# KiCad board shek-rounded.kicad_pcb (continued)
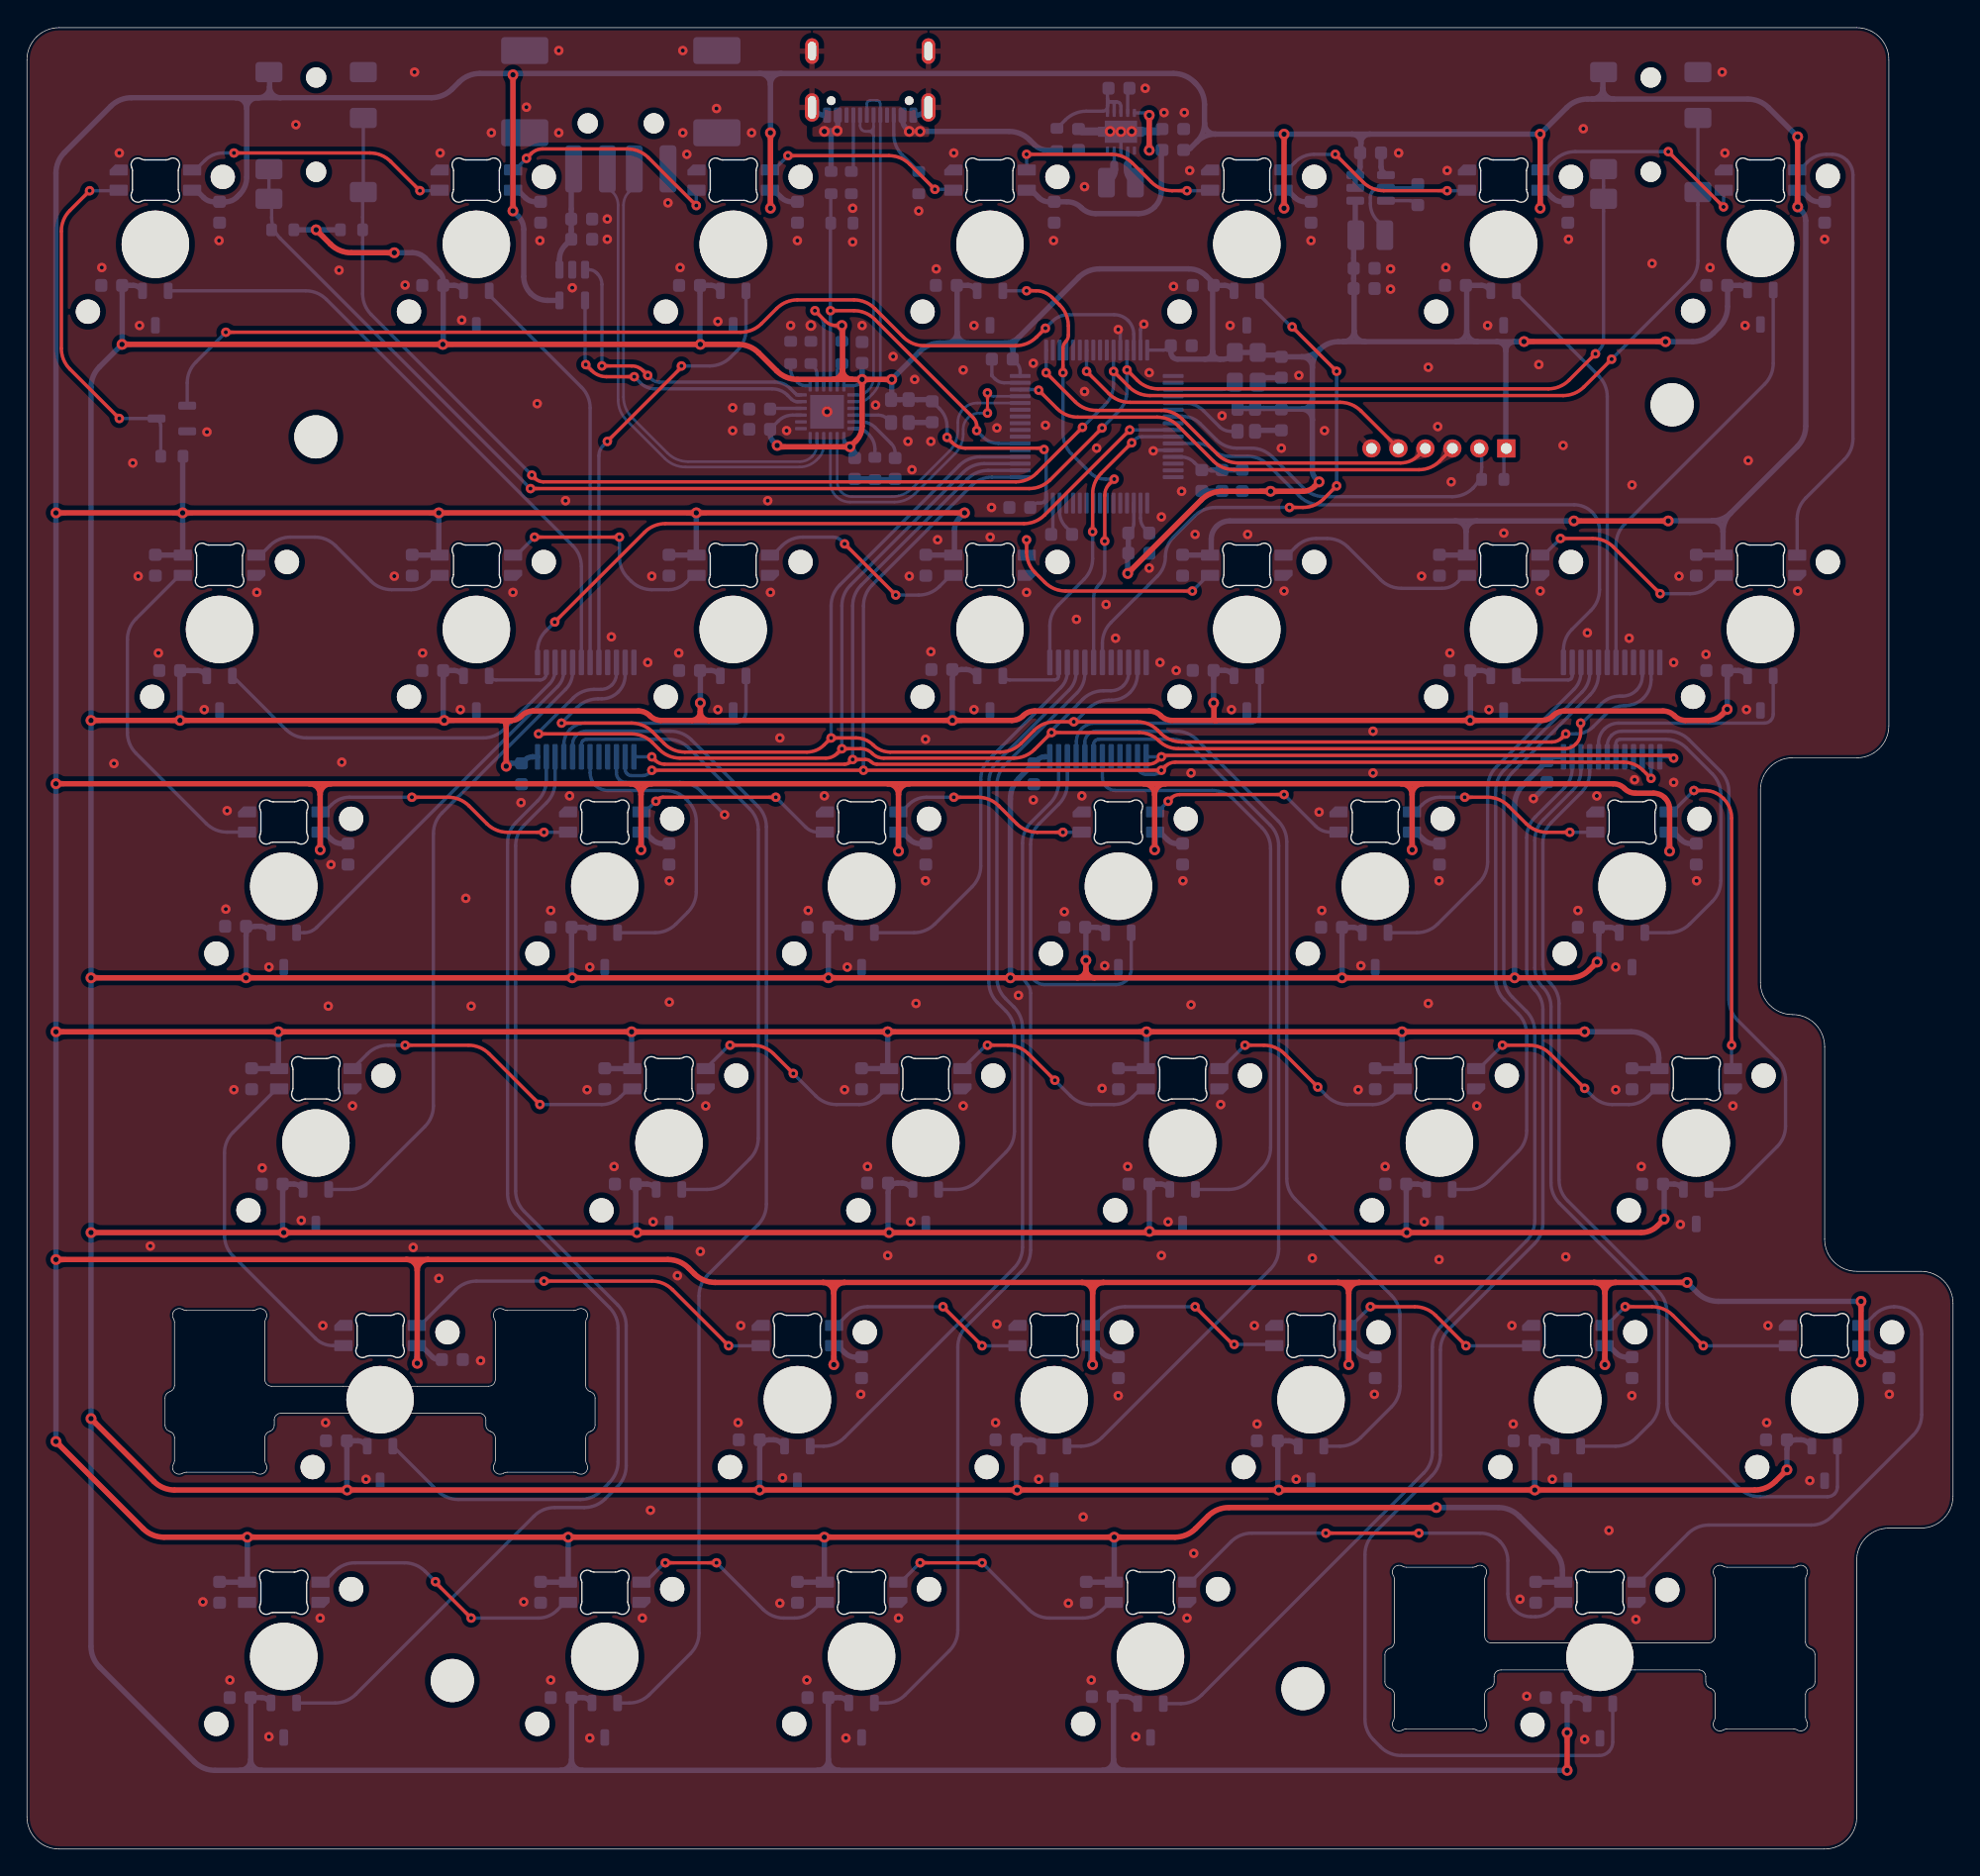
[diagram p0: board, top side]
## Copper pours and planes (outline as drawn; the poured copper is in the pictures) (continued)
/VBUS2 on Bottom: 40.57,123.42 40.58,123.55 40.6,123.66 40.62,123.75 40.65,123.83 40.7,123.9 40.75,123.96 40.8,124.02 40.94,124.16 41.02,124.24 40.64,124.96 39.93,124.55 39.96,124.42 39.99,124.3 40.02,124.2 40.09,124.02 40.11,123.93 40.14,123.83 40.16,123.72 40.17,123.58 40.18,123.42
/VDDA on Bottom: 87.34,102.18 87.5,102.14 87.63,102.11 87.75,102.09 87.95,102.06 88.04,102.05 88.13,102.03 88.23,102 88.33,101.96 88.45,101.91 88.87,102.31 88.45,102.72 88.25,102.62 88.16,102.58 88.08,102.55 87.99,102.52 87.91,102.51 87.81,102.5 87.71,102.51 87.59,102.53 87.45,102.57
GND on Top, Bottom: -18.65,149.79 221.85,149.94 215.35,-19.86 -24.8,-8.96
VBUS on Top: 58.24,129.31 66.92,129.29 66.93,127.03 58.26,127.04
VBUS on Bottom: 75.86,125.5 80.26,125.5 80.26,126.45 75.86,126.5
DN2_D+ on Bottom: 45,123.26 45.08,123.41 45.15,123.54 45.21,123.66 45.26,123.75 45.42,124.02 45.48,124.13 45.54,124.24 45.61,124.38 45.05,124.97 44.49,124.39 44.55,124.26 44.63,124.16 44.76,123.97 44.82,123.89 44.87,123.8 44.89,123.7 44.9,123.6 44.87,123.48 44.82,123.34
DN2_D- on Bottom: 43.28,123.34 43.23,123.48 43.2,123.6 43.21,123.7 43.23,123.8 43.28,123.89 43.34,123.97 43.47,124.16 43.55,124.26 43.61,124.39 43.05,124.97 42.49,124.38 42.56,124.24 42.62,124.13 42.68,124.02 42.84,123.75 42.89,123.66 42.95,123.54 43.02,123.41 43.1,123.26
NRST on Bottom: 108.04,102.58 108.04,102.76 108.06,102.9 108.09,103.02 108.13,103.12 108.18,103.22 108.22,103.31 108.27,103.41 108.32,103.52 108.36,103.64 108.4,103.79 107.65,104.24 107.22,103.48 107.31,103.38 107.4,103.3 107.55,103.16 107.62,103.1 107.67,103.03 107.72,102.94 107.76,102.85 107.78,102.73 107.79,102.58
OSC32 on Bottom: 88.58,108.16 88.72,108.16 88.84,108.17 88.94,108.18 89.03,108.19 89.19,108.21 89.28,108.22 89.37,108.23 89.48,108.24 89.6,108.24 89.84,109.02 89.06,109.1 89.02,109 88.99,108.9 88.94,108.71 88.92,108.63 88.88,108.56 88.84,108.5 88.77,108.45 88.69,108.42 88.58,108.41
SCL on Bottom: 17.82,123.94 17.82,123.76 17.79,123.62 17.75,123.5 17.7,123.39 17.64,123.3 17.58,123.21 17.5,123.12 17.43,123.02 17.35,122.9 17.27,122.76 17.95,122.06 18.62,122.76 18.55,122.9 18.47,123.02 18.4,123.12 18.32,123.21 18.26,123.3 18.2,123.39 18.15,123.5 18.11,123.62 18.08,123.76 18.07,123.94
SCL on Bottom: 18.07,123.15 18.08,123.32 18.11,123.47 18.15,123.59 18.2,123.69 18.26,123.78 18.32,123.87 18.4,123.96 18.47,124.06 18.55,124.17 18.62,124.31 17.95,125.01 17.27,124.31 17.35,124.17 17.43,124.06 17.5,123.96 17.58,123.87 17.64,123.78 17.7,123.69 17.75,123.59 17.79,123.47 17.82,123.32 17.82,123.15
SCL on Bottom: 117.07,123.14 117.08,123.31 117.11,123.46 117.15,123.58 117.2,123.68 117.26,123.77 117.32,123.86 117.4,123.95 117.47,124.05 117.55,124.17 117.62,124.31 116.95,125.01 116.27,124.31 116.35,124.17 116.43,124.05 116.5,123.95 116.58,123.86 116.64,123.77 116.7,123.68 116.75,123.58 116.79,123.46 116.82,123.31 116.82,123.14
SCL on Bottom: 18.4,120.35 18.32,120.6 18.28,120.82 18.28,121.02 18.31,121.19 18.36,121.35 18.42,121.51 18.49,121.68 18.56,121.86 18.63,122.06 18.69,122.3 17.85,122.8 17.39,121.94 17.53,121.77 17.64,121.62 17.73,121.47 17.8,121.34 17.86,121.2 17.91,121.05 17.96,120.89 18.01,120.71 18.08,120.5 18.16,120.26
SDA on Bottom: 124.07,126.95 124.08,127.12 124.11,127.27 124.15,127.39 124.2,127.49 124.26,127.58 124.32,127.67 124.4,127.76 124.47,127.86 124.55,127.97 124.62,128.11 123.95,128.81 123.27,128.11 123.35,127.97 123.43,127.86 123.5,127.76 123.58,127.67 123.64,127.58 123.7,127.49 123.75,127.39 123.79,127.27 123.82,127.12 123.82,126.95
SDA on Bottom: 25.07,126.95 25.08,127.12 25.11,127.27 25.15,127.39 25.2,127.49 25.26,127.58 25.32,127.67 25.4,127.76 25.47,127.86 25.55,127.97 25.62,128.11 24.95,128.81 24.27,128.11 24.35,127.97 24.43,127.86 24.5,127.76 24.58,127.67 24.64,127.58 24.7,127.49 24.75,127.39 24.79,127.27 24.82,127.12 24.82,126.95
SDA on Bottom: 25.02,121.43 25.03,121.61 25.06,121.75 25.1,121.87 25.15,121.97 25.21,122.06 25.28,122.14 25.36,122.23 25.44,122.32 25.52,122.43 25.6,122.57 24.97,123.31 24.25,122.66 24.32,122.51 24.39,122.38 24.46,122.28 24.53,122.18 24.6,122.09 24.66,121.99 24.7,121.89 24.74,121.76 24.77,121.61 24.77,121.43
SDA on Bottom: 24.82,124.44 24.82,124.27 24.79,124.12 24.75,124 24.7,123.9 24.64,123.8 24.58,123.71 24.5,123.62 24.43,123.52 24.35,123.4 24.27,123.26 24.95,122.56 25.62,123.26 25.55,123.4 25.47,123.52 25.4,123.62 25.32,123.71 25.26,123.8 25.2,123.9 25.15,124 25.11,124.12 25.08,124.27 25.07,124.44
SWCLK on Top: 102.69,102.88 102.86,102.95 103,103.01 103.13,103.05 103.24,103.08 103.35,103.11 103.56,103.16 103.67,103.19 103.8,103.23 103.96,103.28 103.97,104.16 103.1,104.14 103.06,104 103.03,103.87 103,103.64 102.98,103.53 102.95,103.44 102.9,103.35 102.83,103.26 102.73,103.18 102.59,103.11
SWDIO on Top: 104.31,102.47 104.53,102.59 104.72,102.69 104.88,102.78 105.02,102.86 105.15,102.93 105.28,103 105.42,103.07 105.57,103.13 105.75,103.2 105.96,103.28 105.97,104.16 105.1,104.14 105.03,103.94 104.98,103.75 104.94,103.59 104.89,103.44 104.84,103.3 104.77,103.16 104.68,103.04 104.55,102.92 104.4,102.81 104.19,102.69
SWO on Top: 100.7,104.78 100.8,104.66 100.88,104.56 100.93,104.46 100.97,104.36 100.99,104.26 101,104.17 101.01,104.06 101.03,103.95 101.06,103.83 101.1,103.7 101.97,103.68 101.96,104.56 101.82,104.6 101.7,104.62 101.59,104.64 101.49,104.65 101.39,104.67 101.29,104.69 101.2,104.72 101.1,104.77 100.99,104.85 100.87,104.96
Net-(LED26-DOUT) on Bottom: 22.27,37.27 22.41,37.24 22.73,37.18 22.82,37.16 22.9,37.14 22.99,37.11 23.08,37.08 23.18,37.03 23.29,36.98 23.67,37.35 23.29,37.72 23.18,37.67 23.09,37.62 23,37.57 22.92,37.54 22.84,37.51 22.76,37.49 22.67,37.48 22.57,37.48 22.46,37.49 22.32,37.52
Net-(U3-L1) on Bottom: 80.35,124.7 80.34,124.6 80.32,124.52 80.28,124.46 80.24,124.4 80.18,124.36 80.11,124.33 80.04,124.3 79.88,124.24 79.8,124.2 79.88,123.39 80.7,123.64 80.71,123.76 80.73,123.87 80.75,123.96 80.79,124.05 80.82,124.13 80.86,124.22 80.9,124.32 80.92,124.42 80.94,124.55 80.95,124.7
Net-(U3-L2) on Bottom: 81.35,124.7 81.36,124.55 81.38,124.42 81.4,124.32 81.44,124.22 81.48,124.13 81.51,124.05 81.55,123.96 81.57,123.87 81.59,123.76 81.6,123.64 82.42,123.39 82.5,124.2 82.42,124.24 82.26,124.3 82.19,124.33 82.12,124.36 82.06,124.4 82.02,124.46 81.98,124.52 81.96,124.6 81.95,124.7
Net-(U4-SW) on Bottom: 99.71,121.26 99.8,121.08 99.88,120.92 99.95,120.78 100.02,120.65 100.06,120.54 100.1,120.42 100.13,120.3 100.14,120.16 100.13,120.01 100.11,119.83 100.82,119.44 101.18,120.16 101.03,120.31 100.89,120.43 100.76,120.52 100.5,120.68 100.39,120.77 100.27,120.87 100.16,121 100.05,121.16 99.94,121.37
Net-(U5-VCAP_1) on Bottom: 76.68,98.4 76.75,98.28 76.86,98.09 76.91,98.01 76.95,97.93 76.98,97.86 77.01,97.78 77.04,97.69 77.06,97.59 77.08,97.47 77.65,97.35 77.75,97.93 77.64,97.99 77.54,98.03 77.36,98.1 77.27,98.14 77.2,98.18 77.12,98.23 77.05,98.31 76.97,98.4 76.9,98.52

Small or netless copper shapes (teardrops, artwork), in the pictures only: 250 on Top, 662 on Bottom

## Text on the board
B.Silkscreen: GND | SWO | SWCLK | SWDIO | NRST | VCC
